# Altium PCB STB_LightBoard.PcbDoc (part 3 of 31) (continued)
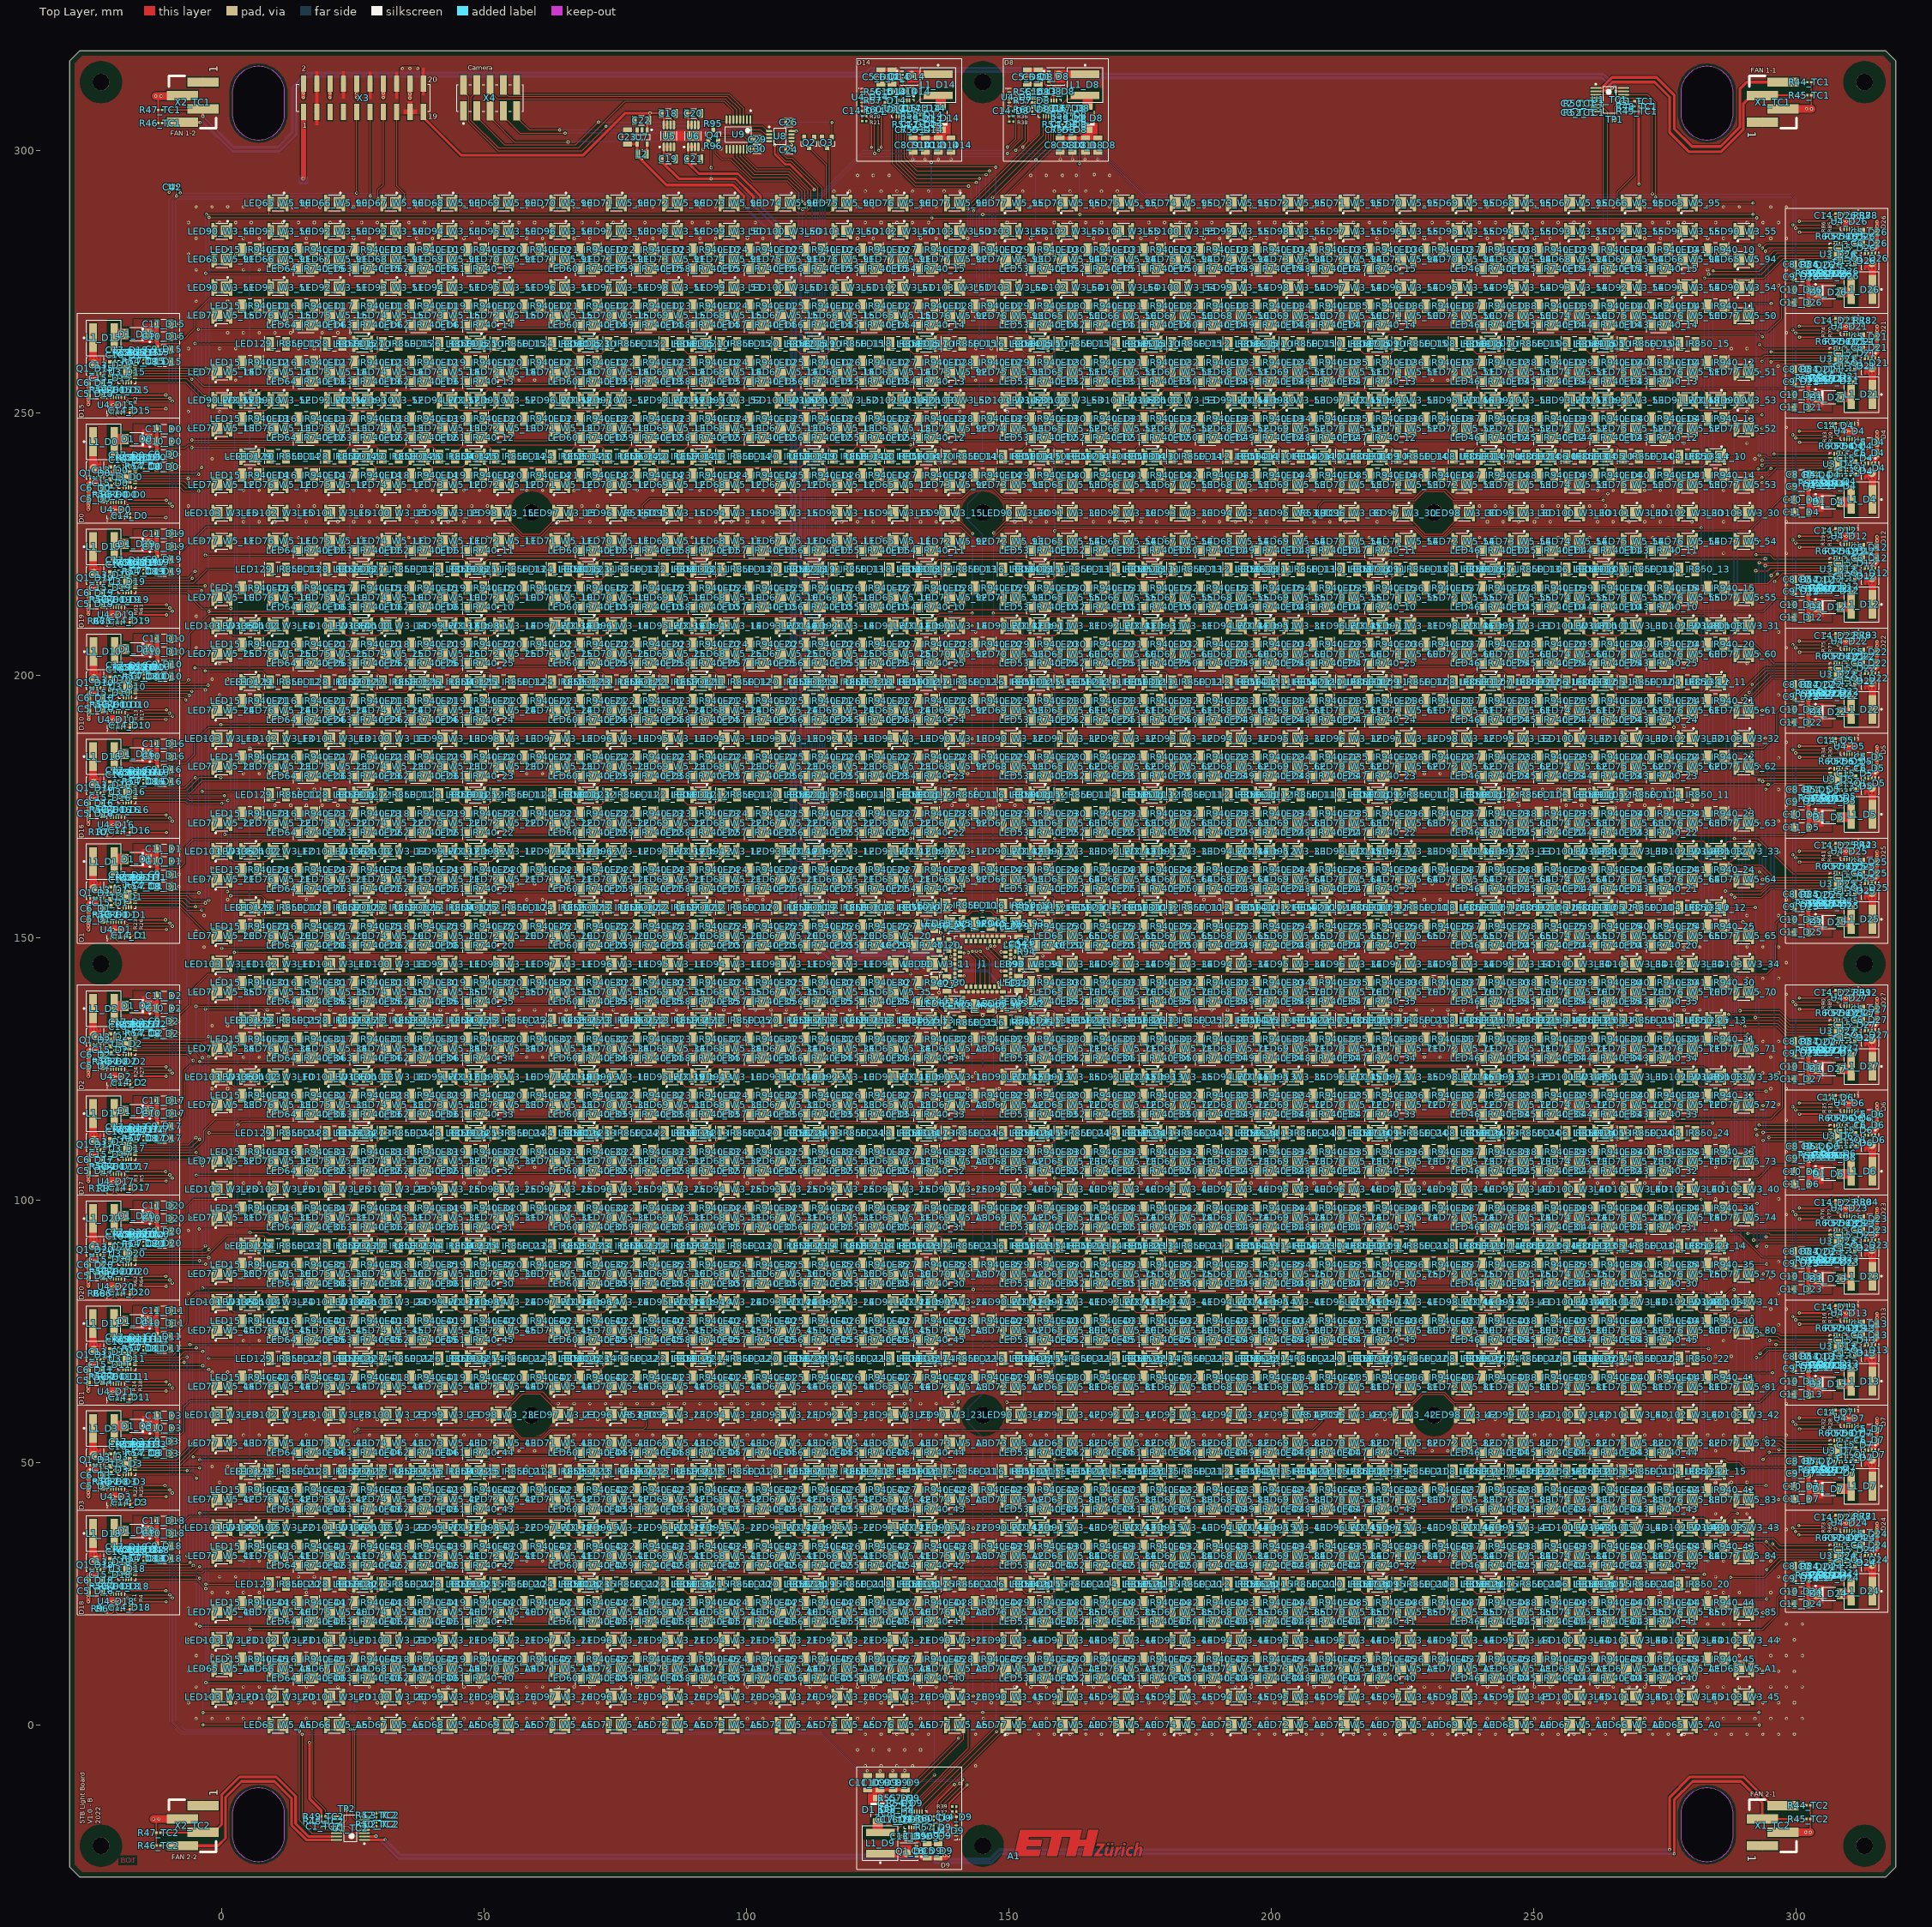
[diagram p0: Top Layer view]
## Classes and differential pairs (continued)
component class D13: C5_D13 C6_D13 C7_D13 C8_D13 C9_D13 C10_D13 C11_D13 C12_D13 C13_D13 C14_D13 C15_D13 C16_D13 C17_D13 D1_D13 L1_D13 Q1_D13 R54_D13 R55_D13 R56_D13 R57_D13 R58_D13 R59_D13 R60_D13 U3_D13 U4_D13
component class D12: C5_D12 C6_D12 C7_D12 C8_D12 C9_D12 C10_D12 C11_D12 C12_D12 C13_D12 C14_D12 C15_D12 C16_D12 C17_D12 D1_D12 L1_D12 Q1_D12 R54_D12 R55_D12 R56_D12 R57_D12 R58_D12 R59_D12 R60_D12 U3_D12 U4_D12
component class D11: C5_D11 C6_D11 C7_D11 C8_D11 C9_D11 C10_D11 C11_D11 C12_D11 C13_D11 C14_D11 C15_D11 C16_D11 C17_D11 D1_D11 L1_D11 Q1_D11 R54_D11 R55_D11 R56_D11 R57_D11 R58_D11 R59_D11 R60_D11 U3_D11 U4_D11
component class D10: C5_D10 C6_D10 C7_D10 C8_D10 C9_D10 C10_D10 C11_D10 C12_D10 C13_D10 C14_D10 C15_D10 C16_D10 C17_D10 D1_D10 L1_D10 Q1_D10 R54_D10 R55_D10 R56_D10 R57_D10 R58_D10 R59_D10 R60_D10 U3_D10 U4_D10
component class D9: C5_D9 C6_D9 C7_D9 C8_D9 C9_D9 C10_D9 C11_D9 C12_D9 C13_D9 C14_D9 C15_D9 C16_D9 C17_D9 D1_D9 L1_D9 Q1_D9 R54_D9 R55_D9 R56_D9 R57_D9 R58_D9 R59_D9 R60_D9 U3_D9 U4_D9
component class D8: C5_D8 C6_D8 C7_D8 C8_D8 C9_D8 C10_D8 C11_D8 C12_D8 C13_D8 C14_D8 C15_D8 C16_D8 C17_D8 D1_D8 L1_D8 Q1_D8 R54_D8 R55_D8 R56_D8 R57_D8 R58_D8 R59_D8 R60_D8 U3_D8 U4_D8
component class D7: C5_D7 C6_D7 C7_D7 C8_D7 C9_D7 C10_D7 C11_D7 C12_D7 C13_D7 C14_D7 C15_D7 C16_D7 C17_D7 D1_D7 L1_D7 Q1_D7 R54_D7 R55_D7 R56_D7 R57_D7 R58_D7 R59_D7 R60_D7 U3_D7 U4_D7
component class D6: C5_D6 C6_D6 C7_D6 C8_D6 C9_D6 C10_D6 C11_D6 C12_D6 C13_D6 C14_D6 C15_D6 C16_D6 C17_D6 D1_D6 L1_D6 Q1_D6 R54_D6 R55_D6 R56_D6 R57_D6 R58_D6 R59_D6 R60_D6 U3_D6 U4_D6
component class D5: C5_D5 C6_D5 C7_D5 C8_D5 C9_D5 C10_D5 C11_D5 C12_D5 C13_D5 C14_D5 C15_D5 C16_D5 C17_D5 D1_D5 L1_D5 Q1_D5 R54_D5 R55_D5 R56_D5 R57_D5 R58_D5 R59_D5 R60_D5 U3_D5 U4_D5
component class D4: C5_D4 C6_D4 C7_D4 C8_D4 C9_D4 C10_D4 C11_D4 C12_D4 C13_D4 C14_D4 C15_D4 C16_D4 C17_D4 D1_D4 L1_D4 Q1_D4 R54_D4 R55_D4 R56_D4 R57_D4 R58_D4 R59_D4 R60_D4 U3_D4 U4_D4
component class D3: C5_D3 C6_D3 C7_D3 C8_D3 C9_D3 C10_D3 C11_D3 C12_D3 C13_D3 C14_D3 C15_D3 C16_D3 C17_D3 D1_D3 L1_D3 Q1_D3 R54_D3 R55_D3 R56_D3 R57_D3 R58_D3 R59_D3 R60_D3 U3_D3 U4_D3
component class D2: C5_D2 C6_D2 C7_D2 C8_D2 C9_D2 C10_D2 C11_D2 C12_D2 C13_D2 C14_D2 C15_D2 C16_D2 C17_D2 D1_D2 L1_D2 Q1_D2 R54_D2 R55_D2 R56_D2 R57_D2 R58_D2 R59_D2 R60_D2 U3_D2 U4_D2
component class D1: C5_D1 C6_D1 C7_D1 C8_D1 C9_D1 C10_D1 C11_D1 C12_D1 C13_D1 C14_D1 C15_D1 C16_D1 C17_D1 D1_D1 L1_D1 Q1_D1 R54_D1 R55_D1 R56_D1 R57_D1 R58_D1 R59_D1 R60_D1 U3_D1 U4_D1
component class D0: C5_D0 C6_D0 C7_D0 C8_D0 C9_D0 C10_D0 C11_D0 C12_D0 C13_D0 C14_D0 C15_D0 C16_D0 C17_D0 D1_D0 L1_D0 Q1_D0 R54_D0 R55_D0 R56_D0 R57_D0 R58_D0 R59_D0 R60_D0 U3_D0 U4_D0
channel class LED_String_QBHP686: IR740_10 IR740_11 IR740_12 IR740_13 IR740_14 IR740_15 IR740_20 IR740_21 IR740_22 IR740_23 IR740_24 IR740_25 IR740_30 IR740_31 IR740_32 IR740_33 IR740_34 IR740_35 IR740_40 IR740_41 IR740_42 IR740_43 IR740_44 IR740_45
channel class LED_String_AREM-90C0: IR940_10 IR940_11 IR940_12 IR940_13 IR940_14 IR940_15 IR940_20 IR940_21 IR940_22 IR940_23 IR940_24 IR940_25 IR940_30 IR940_31 IR940_32 IR940_33 IR940_34 IR940_35 IR940_40 IR940_41 IR940_42 IR940_43 IR940_44 IR940_45
channel class LED_String_AREM-80C0: IR850_10 IR850_11 IR850_12 IR850_13 IR850_14 IR850_15 IR850_20 IR850_21 IR850_22 IR850_23 IR850_24 IR850_25
component class LIR3: R69 R70 R71 R72 R73 R74 R75 R76 R77 R78 R79 R80 R81 R82 R83 R84
component class LIR2: R61 R62 R63 R64 R65 R66 R67 R68
component class LIR1: R1 R2 R3 R4 R5 R6 R7 R8 R9 R10 R11
component class IR940_45: LED15_IR940_45 LED16_IR940_45 LED17_IR940_45 LED18_IR940_45 LED19_IR940_45 LED20_IR940_45 LED21_IR940_45 LED22_IR940_45 LED23_IR940_45 LED24_IR940_45 LED25_IR940_45 LED26_IR940_45 LED27_IR940_45 LED28_IR940_45 LED29_IR940_45 LED30_IR940_45 LED31_IR940_45 LED32_IR940_45 LED33_IR940_45 LED34_IR940_45 LED35_IR940_45 LED36_IR940_45 LED37_IR940_45 LED38_IR940_45 LED39_IR940_45 LED40_IR940_45 LED41_IR940_45
component class IR940_44: LED15_IR940_44 LED16_IR940_44 LED17_IR940_44 LED18_IR940_44 LED19_IR940_44 LED20_IR940_44 LED21_IR940_44 LED22_IR940_44 LED23_IR940_44 LED24_IR940_44 LED25_IR940_44 LED26_IR940_44 LED27_IR940_44 LED28_IR940_44 LED29_IR940_44 LED30_IR940_44 LED31_IR940_44 LED32_IR940_44 LED33_IR940_44 LED34_IR940_44 LED35_IR940_44 LED36_IR940_44 LED37_IR940_44 LED38_IR940_44 LED39_IR940_44 LED40_IR940_44 LED41_IR940_44
component class IR940_43: LED15_IR940_43 LED16_IR940_43 LED17_IR940_43 LED18_IR940_43 LED19_IR940_43 LED20_IR940_43 LED21_IR940_43 LED22_IR940_43 LED23_IR940_43 LED24_IR940_43 LED25_IR940_43 LED26_IR940_43 LED27_IR940_43 LED28_IR940_43 LED29_IR940_43 LED30_IR940_43 LED31_IR940_43 LED32_IR940_43 LED33_IR940_43 LED34_IR940_43 LED35_IR940_43 LED36_IR940_43 LED37_IR940_43 LED38_IR940_43 LED39_IR940_43 LED40_IR940_43 LED41_IR940_43
component class IR940_42: LED15_IR940_42 LED16_IR940_42 LED17_IR940_42 LED18_IR940_42 LED19_IR940_42 LED20_IR940_42 LED21_IR940_42 LED22_IR940_42 LED23_IR940_42 LED24_IR940_42 LED25_IR940_42 LED26_IR940_42 LED27_IR940_42 LED28_IR940_42 LED29_IR940_42 LED30_IR940_42 LED31_IR940_42 LED32_IR940_42 LED33_IR940_42 LED34_IR940_42 LED35_IR940_42 LED36_IR940_42 LED37_IR940_42 LED38_IR940_42 LED39_IR940_42 LED40_IR940_42 LED41_IR940_42
component class IR940_41: LED15_IR940_41 LED16_IR940_41 LED17_IR940_41 LED18_IR940_41 LED19_IR940_41 LED20_IR940_41 LED21_IR940_41 LED22_IR940_41 LED23_IR940_41 LED24_IR940_41 LED25_IR940_41 LED26_IR940_41 LED27_IR940_41 LED28_IR940_41 LED29_IR940_41 LED30_IR940_41 LED31_IR940_41 LED32_IR940_41 LED33_IR940_41 LED34_IR940_41 LED35_IR940_41 LED36_IR940_41 LED37_IR940_41 LED38_IR940_41 LED39_IR940_41 LED40_IR940_41 LED41_IR940_41
component class IR940_40: LED15_IR940_40 LED16_IR940_40 LED17_IR940_40 LED18_IR940_40 LED19_IR940_40 LED20_IR940_40 LED21_IR940_40 LED22_IR940_40 LED23_IR940_40 LED24_IR940_40 LED25_IR940_40 LED26_IR940_40 LED27_IR940_40 LED28_IR940_40 LED29_IR940_40 LED30_IR940_40 LED31_IR940_40 LED32_IR940_40 LED33_IR940_40 LED34_IR940_40 LED35_IR940_40 LED36_IR940_40 LED37_IR940_40 LED38_IR940_40 LED39_IR940_40 LED40_IR940_40 LED41_IR940_40
component class IR940_35: LED15_IR940_35 LED16_IR940_35 LED17_IR940_35 LED18_IR940_35 LED19_IR940_35 LED20_IR940_35 LED21_IR940_35 LED22_IR940_35 LED23_IR940_35 LED24_IR940_35 LED25_IR940_35 LED26_IR940_35 LED27_IR940_35 LED28_IR940_35 LED29_IR940_35 LED30_IR940_35 LED31_IR940_35 LED32_IR940_35 LED33_IR940_35 LED34_IR940_35 LED35_IR940_35 LED36_IR940_35 LED37_IR940_35 LED38_IR940_35 LED39_IR940_35 LED40_IR940_35 LED41_IR940_35
component class IR940_34: LED15_IR940_34 LED16_IR940_34 LED17_IR940_34 LED18_IR940_34 LED19_IR940_34 LED20_IR940_34 LED21_IR940_34 LED22_IR940_34 LED23_IR940_34 LED24_IR940_34 LED25_IR940_34 LED26_IR940_34 LED27_IR940_34 LED28_IR940_34 LED29_IR940_34 LED30_IR940_34 LED31_IR940_34 LED32_IR940_34 LED33_IR940_34 LED34_IR940_34 LED35_IR940_34 LED36_IR940_34 LED37_IR940_34 LED38_IR940_34 LED39_IR940_34 LED40_IR940_34 LED41_IR940_34
component class IR940_33: LED15_IR940_33 LED16_IR940_33 LED17_IR940_33 LED18_IR940_33 LED19_IR940_33 LED20_IR940_33 LED21_IR940_33 LED22_IR940_33 LED23_IR940_33 LED24_IR940_33 LED25_IR940_33 LED26_IR940_33 LED27_IR940_33 LED28_IR940_33 LED29_IR940_33 LED30_IR940_33 LED31_IR940_33 LED32_IR940_33 LED33_IR940_33 LED34_IR940_33 LED35_IR940_33 LED36_IR940_33 LED37_IR940_33 LED38_IR940_33 LED39_IR940_33 LED40_IR940_33 LED41_IR940_33
component class IR940_32: LED15_IR940_32 LED16_IR940_32 LED17_IR940_32 LED18_IR940_32 LED19_IR940_32 LED20_IR940_32 LED21_IR940_32 LED22_IR940_32 LED23_IR940_32 LED24_IR940_32 LED25_IR940_32 LED26_IR940_32 LED27_IR940_32 LED28_IR940_32 LED29_IR940_32 LED30_IR940_32 LED31_IR940_32 LED32_IR940_32 LED33_IR940_32 LED34_IR940_32 LED35_IR940_32 LED36_IR940_32 LED37_IR940_32 LED38_IR940_32 LED39_IR940_32 LED40_IR940_32 LED41_IR940_32
component class IR940_31: LED15_IR940_31 LED16_IR940_31 LED17_IR940_31 LED18_IR940_31 LED19_IR940_31 LED20_IR940_31 LED21_IR940_31 LED22_IR940_31 LED23_IR940_31 LED24_IR940_31 LED25_IR940_31 LED26_IR940_31 LED27_IR940_31 LED28_IR940_31 LED29_IR940_31 LED30_IR940_31 LED31_IR940_31 LED32_IR940_31 LED33_IR940_31 LED34_IR940_31 LED35_IR940_31 LED36_IR940_31 LED37_IR940_31 LED38_IR940_31 LED39_IR940_31 LED40_IR940_31 LED41_IR940_31
component class IR940_30: LED15_IR940_30 LED16_IR940_30 LED17_IR940_30 LED18_IR940_30 LED19_IR940_30 LED20_IR940_30 LED21_IR940_30 LED22_IR940_30 LED23_IR940_30 LED24_IR940_30 LED25_IR940_30 LED26_IR940_30 LED27_IR940_30 LED28_IR940_30 LED29_IR940_30 LED30_IR940_30 LED31_IR940_30 LED32_IR940_30 LED33_IR940_30 LED34_IR940_30 LED35_IR940_30 LED36_IR940_30 LED37_IR940_30 LED38_IR940_30 LED39_IR940_30 LED40_IR940_30 LED41_IR940_30
component class IR940_25: LED15_IR940_25 LED16_IR940_25 LED17_IR940_25 LED18_IR940_25 LED19_IR940_25 LED20_IR940_25 LED21_IR940_25 LED22_IR940_25 LED23_IR940_25 LED24_IR940_25 LED25_IR940_25 LED26_IR940_25 LED27_IR940_25 LED28_IR940_25 LED29_IR940_25 LED30_IR940_25 LED31_IR940_25 LED32_IR940_25 LED33_IR940_25 LED34_IR940_25 LED35_IR940_25 LED36_IR940_25 LED37_IR940_25 LED38_IR940_25 LED39_IR940_25 LED40_IR940_25 LED41_IR940_25
component class IR940_24: LED15_IR940_24 LED16_IR940_24 LED17_IR940_24 LED18_IR940_24 LED19_IR940_24 LED20_IR940_24 LED21_IR940_24 LED22_IR940_24 LED23_IR940_24 LED24_IR940_24 LED25_IR940_24 LED26_IR940_24 LED27_IR940_24 LED28_IR940_24 LED29_IR940_24 LED30_IR940_24 LED31_IR940_24 LED32_IR940_24 LED33_IR940_24 LED34_IR940_24 LED35_IR940_24 LED36_IR940_24 LED37_IR940_24 LED38_IR940_24 LED39_IR940_24 LED40_IR940_24 LED41_IR940_24
component class IR940_23: LED15_IR940_23 LED16_IR940_23 LED17_IR940_23 LED18_IR940_23 LED19_IR940_23 LED20_IR940_23 LED21_IR940_23 LED22_IR940_23 LED23_IR940_23 LED24_IR940_23 LED25_IR940_23 LED26_IR940_23 LED27_IR940_23 LED28_IR940_23 LED29_IR940_23 LED30_IR940_23 LED31_IR940_23 LED32_IR940_23 LED33_IR940_23 LED34_IR940_23 LED35_IR940_23 LED36_IR940_23 LED37_IR940_23 LED38_IR940_23 LED39_IR940_23 LED40_IR940_23 LED41_IR940_23
component class IR940_22: LED15_IR940_22 LED16_IR940_22 LED17_IR940_22 LED18_IR940_22 LED19_IR940_22 LED20_IR940_22 LED21_IR940_22 LED22_IR940_22 LED23_IR940_22 LED24_IR940_22 LED25_IR940_22 LED26_IR940_22 LED27_IR940_22 LED28_IR940_22 LED29_IR940_22 LED30_IR940_22 LED31_IR940_22 LED32_IR940_22 LED33_IR940_22 LED34_IR940_22 LED35_IR940_22 LED36_IR940_22 LED37_IR940_22 LED38_IR940_22 LED39_IR940_22 LED40_IR940_22 LED41_IR940_22
component class IR940_21: LED15_IR940_21 LED16_IR940_21 LED17_IR940_21 LED18_IR940_21 LED19_IR940_21 LED20_IR940_21 LED21_IR940_21 LED22_IR940_21 LED23_IR940_21 LED24_IR940_21 LED25_IR940_21 LED26_IR940_21 LED27_IR940_21 LED28_IR940_21 LED29_IR940_21 LED30_IR940_21 LED31_IR940_21 LED32_IR940_21 LED33_IR940_21 LED34_IR940_21 LED35_IR940_21 LED36_IR940_21 LED37_IR940_21 LED38_IR940_21 LED39_IR940_21 LED40_IR940_21 LED41_IR940_21
component class IR940_20: LED15_IR940_20 LED16_IR940_20 LED17_IR940_20 LED18_IR940_20 LED19_IR940_20 LED20_IR940_20 LED21_IR940_20 LED22_IR940_20 LED23_IR940_20 LED24_IR940_20 LED25_IR940_20 LED26_IR940_20 LED27_IR940_20 LED28_IR940_20 LED29_IR940_20 LED30_IR940_20 LED31_IR940_20 LED32_IR940_20 LED33_IR940_20 LED34_IR940_20 LED35_IR940_20 LED36_IR940_20 LED37_IR940_20 LED38_IR940_20 LED39_IR940_20 LED40_IR940_20 LED41_IR940_20
component class IR940_15: LED15_IR940_15 LED16_IR940_15 LED17_IR940_15 LED18_IR940_15 LED19_IR940_15 LED20_IR940_15 LED21_IR940_15 LED22_IR940_15 LED23_IR940_15 LED24_IR940_15 LED25_IR940_15 LED26_IR940_15 LED27_IR940_15 LED28_IR940_15 LED29_IR940_15 LED30_IR940_15 LED31_IR940_15 LED32_IR940_15 LED33_IR940_15 LED34_IR940_15 LED35_IR940_15 LED36_IR940_15 LED37_IR940_15 LED38_IR940_15 LED39_IR940_15 LED40_IR940_15 LED41_IR940_15
component class IR940_14: LED15_IR940_14 LED16_IR940_14 LED17_IR940_14 LED18_IR940_14 LED19_IR940_14 LED20_IR940_14 LED21_IR940_14 LED22_IR940_14 LED23_IR940_14 LED24_IR940_14 LED25_IR940_14 LED26_IR940_14 LED27_IR940_14 LED28_IR940_14 LED29_IR940_14 LED30_IR940_14 LED31_IR940_14 LED32_IR940_14 LED33_IR940_14 LED34_IR940_14 LED35_IR940_14 LED36_IR940_14 LED37_IR940_14 LED38_IR940_14 LED39_IR940_14 LED40_IR940_14 LED41_IR940_14
component class IR940_13: LED15_IR940_13 LED16_IR940_13 LED17_IR940_13 LED18_IR940_13 LED19_IR940_13 LED20_IR940_13 LED21_IR940_13 LED22_IR940_13 LED23_IR940_13 LED24_IR940_13 LED25_IR940_13 LED26_IR940_13 LED27_IR940_13 LED28_IR940_13 LED29_IR940_13 LED30_IR940_13 LED31_IR940_13 LED32_IR940_13 LED33_IR940_13 LED34_IR940_13 LED35_IR940_13 LED36_IR940_13 LED37_IR940_13 LED38_IR940_13 LED39_IR940_13 LED40_IR940_13 LED41_IR940_13
component class IR940_12: LED15_IR940_12 LED16_IR940_12 LED17_IR940_12 LED18_IR940_12 LED19_IR940_12 LED20_IR940_12 LED21_IR940_12 LED22_IR940_12 LED23_IR940_12 LED24_IR940_12 LED25_IR940_12 LED26_IR940_12 LED27_IR940_12 LED28_IR940_12 LED29_IR940_12 LED30_IR940_12 LED31_IR940_12 LED32_IR940_12 LED33_IR940_12 LED34_IR940_12 LED35_IR940_12 LED36_IR940_12 LED37_IR940_12 LED38_IR940_12 LED39_IR940_12 LED40_IR940_12 LED41_IR940_12
component class IR940_11: LED15_IR940_11 LED16_IR940_11 LED17_IR940_11 LED18_IR940_11 LED19_IR940_11 LED20_IR940_11 LED21_IR940_11 LED22_IR940_11 LED23_IR940_11 LED24_IR940_11 LED25_IR940_11 LED26_IR940_11 LED27_IR940_11 LED28_IR940_11 LED29_IR940_11 LED30_IR940_11 LED31_IR940_11 LED32_IR940_11 LED33_IR940_11 LED34_IR940_11 LED35_IR940_11 LED36_IR940_11 LED37_IR940_11 LED38_IR940_11 LED39_IR940_11 LED40_IR940_11 LED41_IR940_11
component class IR940_10: LED15_IR940_10 LED16_IR940_10 LED17_IR940_10 LED18_IR940_10 LED19_IR940_10 LED20_IR940_10 LED21_IR940_10 LED22_IR940_10 LED23_IR940_10 LED24_IR940_10 LED25_IR940_10 LED26_IR940_10 LED27_IR940_10 LED28_IR940_10 LED29_IR940_10 LED30_IR940_10 LED31_IR940_10 LED32_IR940_10 LED33_IR940_10 LED34_IR940_10 LED35_IR940_10 LED36_IR940_10 LED37_IR940_10 LED38_IR940_10 LED39_IR940_10 LED40_IR940_10 LED41_IR940_10
component class IR850_25: LED104_IR850_25 LED105_IR850_25 LED106_IR850_25 LED107_IR850_25 LED108_IR850_25 LED109_IR850_25 LED110_IR850_25 LED111_IR850_25 LED112_IR850_25 LED113_IR850_25 LED114_IR850_25 LED115_IR850_25 LED116_IR850_25 LED117_IR850_25 LED118_IR850_25 LED119_IR850_25 LED120_IR850_25 LED121_IR850_25 LED122_IR850_25 LED123_IR850_25 LED124_IR850_25 LED125_IR850_25 LED126_IR850_25 LED127_IR850_25 LED128_IR850_25 LED129_IR850_25
component class IR850_24: LED104_IR850_24 LED105_IR850_24 LED106_IR850_24 LED107_IR850_24 LED108_IR850_24 LED109_IR850_24 LED110_IR850_24 LED111_IR850_24 LED112_IR850_24 LED113_IR850_24 LED114_IR850_24 LED115_IR850_24 LED116_IR850_24 LED117_IR850_24 LED118_IR850_24 LED119_IR850_24 LED120_IR850_24 LED121_IR850_24 LED122_IR850_24 LED123_IR850_24 LED124_IR850_24 LED125_IR850_24 LED126_IR850_24 LED127_IR850_24 LED128_IR850_24 LED129_IR850_24
component class IR850_23: LED104_IR850_23 LED105_IR850_23 LED106_IR850_23 LED107_IR850_23 LED108_IR850_23 LED109_IR850_23 LED110_IR850_23 LED111_IR850_23 LED112_IR850_23 LED113_IR850_23 LED114_IR850_23 LED115_IR850_23 LED116_IR850_23 LED117_IR850_23 LED118_IR850_23 LED119_IR850_23 LED120_IR850_23 LED121_IR850_23 LED122_IR850_23 LED123_IR850_23 LED124_IR850_23 LED125_IR850_23 LED126_IR850_23 LED127_IR850_23 LED128_IR850_23 LED129_IR850_23
component class IR850_22: LED104_IR850_22 LED105_IR850_22 LED106_IR850_22 LED107_IR850_22 LED108_IR850_22 LED109_IR850_22 LED110_IR850_22 LED111_IR850_22 LED112_IR850_22 LED113_IR850_22 LED114_IR850_22 LED115_IR850_22 LED116_IR850_22 LED117_IR850_22 LED118_IR850_22 LED119_IR850_22 LED120_IR850_22 LED121_IR850_22 LED122_IR850_22 LED123_IR850_22 LED124_IR850_22 LED125_IR850_22 LED126_IR850_22 LED127_IR850_22 LED128_IR850_22 LED129_IR850_22
component class IR850_21: LED104_IR850_21 LED105_IR850_21 LED106_IR850_21 LED107_IR850_21 LED108_IR850_21 LED109_IR850_21 LED110_IR850_21 LED111_IR850_21 LED112_IR850_21 LED113_IR850_21 LED114_IR850_21 LED115_IR850_21 LED116_IR850_21 LED117_IR850_21 LED118_IR850_21 LED119_IR850_21 LED120_IR850_21 LED121_IR850_21 LED122_IR850_21 LED123_IR850_21 LED124_IR850_21 LED125_IR850_21 LED126_IR850_21 LED127_IR850_21 LED128_IR850_21 LED129_IR850_21
component class IR850_20: LED104_IR850_20 LED105_IR850_20 LED106_IR850_20 LED107_IR850_20 LED108_IR850_20 LED109_IR850_20 LED110_IR850_20 LED111_IR850_20 LED112_IR850_20 LED113_IR850_20 LED114_IR850_20 LED115_IR850_20 LED116_IR850_20 LED117_IR850_20 LED118_IR850_20 LED119_IR850_20 LED120_IR850_20 LED121_IR850_20 LED122_IR850_20 LED123_IR850_20 LED124_IR850_20 LED125_IR850_20 LED126_IR850_20 LED127_IR850_20 LED128_IR850_20 LED129_IR850_20
component class IR850_15: LED104_IR850_15 LED105_IR850_15 LED106_IR850_15 LED107_IR850_15 LED108_IR850_15 LED109_IR850_15 LED110_IR850_15 LED111_IR850_15 LED112_IR850_15 LED113_IR850_15 LED114_IR850_15 LED115_IR850_15 LED116_IR850_15 LED117_IR850_15 LED118_IR850_15 LED119_IR850_15 LED120_IR850_15 LED121_IR850_15 LED122_IR850_15 LED123_IR850_15 LED124_IR850_15 LED125_IR850_15 LED126_IR850_15 LED127_IR850_15 LED128_IR850_15 LED129_IR850_15
component class IR850_14: LED104_IR850_14 LED105_IR850_14 LED106_IR850_14 LED107_IR850_14 LED108_IR850_14 LED109_IR850_14 LED110_IR850_14 LED111_IR850_14 LED112_IR850_14 LED113_IR850_14 LED114_IR850_14 LED115_IR850_14 LED116_IR850_14 LED117_IR850_14 LED118_IR850_14 LED119_IR850_14 LED120_IR850_14 LED121_IR850_14 LED122_IR850_14 LED123_IR850_14 LED124_IR850_14 LED125_IR850_14 LED126_IR850_14 LED127_IR850_14 LED128_IR850_14 LED129_IR850_14
component class IR850_13: LED104_IR850_13 LED105_IR850_13 LED106_IR850_13 LED107_IR850_13 LED108_IR850_13 LED109_IR850_13 LED110_IR850_13 LED111_IR850_13 LED112_IR850_13 LED113_IR850_13 LED114_IR850_13 LED115_IR850_13 LED116_IR850_13 LED117_IR850_13 LED118_IR850_13 LED119_IR850_13 LED120_IR850_13 LED121_IR850_13 LED122_IR850_13 LED123_IR850_13 LED124_IR850_13 LED125_IR850_13 LED126_IR850_13 LED127_IR850_13 LED128_IR850_13 LED129_IR850_13
component class IR850_12: LED104_IR850_12 LED105_IR850_12 LED106_IR850_12 LED107_IR850_12 LED108_IR850_12 LED109_IR850_12 LED110_IR850_12 LED111_IR850_12 LED112_IR850_12 LED113_IR850_12 LED114_IR850_12 LED115_IR850_12 LED116_IR850_12 LED117_IR850_12 LED118_IR850_12 LED119_IR850_12 LED120_IR850_12 LED121_IR850_12 LED122_IR850_12 LED123_IR850_12 LED124_IR850_12 LED125_IR850_12 LED126_IR850_12 LED127_IR850_12 LED128_IR850_12 LED129_IR850_12
component class IR850_11: LED104_IR850_11 LED105_IR850_11 LED106_IR850_11 LED107_IR850_11 LED108_IR850_11 LED109_IR850_11 LED110_IR850_11 LED111_IR850_11 LED112_IR850_11 LED113_IR850_11 LED114_IR850_11 LED115_IR850_11 LED116_IR850_11 LED117_IR850_11 LED118_IR850_11 LED119_IR850_11 LED120_IR850_11 LED121_IR850_11 LED122_IR850_11 LED123_IR850_11 LED124_IR850_11 LED125_IR850_11 LED126_IR850_11 LED127_IR850_11 LED128_IR850_11 LED129_IR850_11
component class IR850_10: LED104_IR850_10 LED105_IR850_10 LED106_IR850_10 LED107_IR850_10 LED108_IR850_10 LED109_IR850_10 LED110_IR850_10 LED111_IR850_10 LED112_IR850_10 LED113_IR850_10 LED114_IR850_10 LED115_IR850_10 LED116_IR850_10 LED117_IR850_10 LED118_IR850_10 LED119_IR850_10 LED120_IR850_10 LED121_IR850_10 LED122_IR850_10 LED123_IR850_10 LED124_IR850_10 LED125_IR850_10 LED126_IR850_10 LED127_IR850_10 LED128_IR850_10 LED129_IR850_10
component class IR740_45: LED43_IR740_45 LED44_IR740_45 LED45_IR740_45 LED46_IR740_45 LED47_IR740_45 LED48_IR740_45 LED49_IR740_45 LED50_IR740_45 LED51_IR740_45 LED52_IR740_45 LED53_IR740_45 LED54_IR740_45 LED55_IR740_45 LED56_IR740_45 LED57_IR740_45 LED58_IR740_45 LED59_IR740_45 LED60_IR740_45 LED61_IR740_45 LED62_IR740_45 LED63_IR740_45 LED64_IR740_45
component class IR740_44: LED43_IR740_44 LED44_IR740_44 LED45_IR740_44 LED46_IR740_44 LED47_IR740_44 LED48_IR740_44 LED49_IR740_44 LED50_IR740_44 LED51_IR740_44 LED52_IR740_44 LED53_IR740_44 LED54_IR740_44 LED55_IR740_44 LED56_IR740_44 LED57_IR740_44 LED58_IR740_44 LED59_IR740_44 LED60_IR740_44 LED61_IR740_44 LED62_IR740_44 LED63_IR740_44 LED64_IR740_44
component class IR740_43: LED43_IR740_43 LED44_IR740_43 LED45_IR740_43 LED46_IR740_43 LED47_IR740_43 LED48_IR740_43 LED49_IR740_43 LED50_IR740_43 LED51_IR740_43 LED52_IR740_43 LED53_IR740_43 LED54_IR740_43 LED55_IR740_43 LED56_IR740_43 LED57_IR740_43 LED58_IR740_43 LED59_IR740_43 LED60_IR740_43 LED61_IR740_43 LED62_IR740_43 LED63_IR740_43 LED64_IR740_43
component class IR740_42: LED43_IR740_42 LED44_IR740_42 LED45_IR740_42 LED46_IR740_42 LED47_IR740_42 LED48_IR740_42 LED49_IR740_42 LED50_IR740_42 LED51_IR740_42 LED52_IR740_42 LED53_IR740_42 LED54_IR740_42 LED55_IR740_42 LED56_IR740_42 LED57_IR740_42 LED58_IR740_42 LED59_IR740_42 LED60_IR740_42 LED61_IR740_42 LED62_IR740_42 LED63_IR740_42 LED64_IR740_42
component class IR740_41: LED43_IR740_41 LED44_IR740_41 LED45_IR740_41 LED46_IR740_41 LED47_IR740_41 LED48_IR740_41 LED49_IR740_41 LED50_IR740_41 LED51_IR740_41 LED52_IR740_41 LED53_IR740_41 LED54_IR740_41 LED55_IR740_41 LED56_IR740_41 LED57_IR740_41 LED58_IR740_41 LED59_IR740_41 LED60_IR740_41 LED61_IR740_41 LED62_IR740_41 LED63_IR740_41 LED64_IR740_41
component class IR740_40: LED43_IR740_40 LED44_IR740_40 LED45_IR740_40 LED46_IR740_40 LED47_IR740_40 LED48_IR740_40 LED49_IR740_40 LED50_IR740_40 LED51_IR740_40 LED52_IR740_40 LED53_IR740_40 LED54_IR740_40 LED55_IR740_40 LED56_IR740_40 LED57_IR740_40 LED58_IR740_40 LED59_IR740_40 LED60_IR740_40 LED61_IR740_40 LED62_IR740_40 LED63_IR740_40 LED64_IR740_40
component class IR740_35: LED43_IR740_35 LED44_IR740_35 LED45_IR740_35 LED46_IR740_35 LED47_IR740_35 LED48_IR740_35 LED49_IR740_35 LED50_IR740_35 LED51_IR740_35 LED52_IR740_35 LED53_IR740_35 LED54_IR740_35 LED55_IR740_35 LED56_IR740_35 LED57_IR740_35 LED58_IR740_35 LED59_IR740_35 LED60_IR740_35 LED61_IR740_35 LED62_IR740_35 LED63_IR740_35 LED64_IR740_35
component class IR740_34: LED43_IR740_34 LED44_IR740_34 LED45_IR740_34 LED46_IR740_34 LED47_IR740_34 LED48_IR740_34 LED49_IR740_34 LED50_IR740_34 LED51_IR740_34 LED52_IR740_34 LED53_IR740_34 LED54_IR740_34 LED55_IR740_34 LED56_IR740_34 LED57_IR740_34 LED58_IR740_34 LED59_IR740_34 LED60_IR740_34 LED61_IR740_34 LED62_IR740_34 LED63_IR740_34 LED64_IR740_34
component class IR740_33: LED43_IR740_33 LED44_IR740_33 LED45_IR740_33 LED46_IR740_33 LED47_IR740_33 LED48_IR740_33 LED49_IR740_33 LED50_IR740_33 LED51_IR740_33 LED52_IR740_33 LED53_IR740_33 LED54_IR740_33 LED55_IR740_33 LED56_IR740_33 LED57_IR740_33 LED58_IR740_33 LED59_IR740_33 LED60_IR740_33 LED61_IR740_33 LED62_IR740_33 LED63_IR740_33 LED64_IR740_33
component class IR740_32: LED43_IR740_32 LED44_IR740_32 LED45_IR740_32 LED46_IR740_32 LED47_IR740_32 LED48_IR740_32 LED49_IR740_32 LED50_IR740_32 LED51_IR740_32 LED52_IR740_32 LED53_IR740_32 LED54_IR740_32 LED55_IR740_32 LED56_IR740_32 LED57_IR740_32 LED58_IR740_32 LED59_IR740_32 LED60_IR740_32 LED61_IR740_32 LED62_IR740_32 LED63_IR740_32 LED64_IR740_32
component class IR740_31: LED43_IR740_31 LED44_IR740_31 LED45_IR740_31 LED46_IR740_31 LED47_IR740_31 LED48_IR740_31 LED49_IR740_31 LED50_IR740_31 LED51_IR740_31 LED52_IR740_31 LED53_IR740_31 LED54_IR740_31 LED55_IR740_31 LED56_IR740_31 LED57_IR740_31 LED58_IR740_31 LED59_IR740_31 LED60_IR740_31 LED61_IR740_31 LED62_IR740_31 LED63_IR740_31 LED64_IR740_31
component class IR740_30: LED43_IR740_30 LED44_IR740_30 LED45_IR740_30 LED46_IR740_30 LED47_IR740_30 LED48_IR740_30 LED49_IR740_30 LED50_IR740_30 LED51_IR740_30 LED52_IR740_30 LED53_IR740_30 LED54_IR740_30 LED55_IR740_30 LED56_IR740_30 LED57_IR740_30 LED58_IR740_30 LED59_IR740_30 LED60_IR740_30 LED61_IR740_30 LED62_IR740_30 LED63_IR740_30 LED64_IR740_30
component class IR740_25: LED43_IR740_25 LED44_IR740_25 LED45_IR740_25 LED46_IR740_25 LED47_IR740_25 LED48_IR740_25 LED49_IR740_25 LED50_IR740_25 LED51_IR740_25 LED52_IR740_25 LED53_IR740_25 LED54_IR740_25 LED55_IR740_25 LED56_IR740_25 LED57_IR740_25 LED58_IR740_25 LED59_IR740_25 LED60_IR740_25 LED61_IR740_25 LED62_IR740_25 LED63_IR740_25 LED64_IR740_25
component class IR740_24: LED43_IR740_24 LED44_IR740_24 LED45_IR740_24 LED46_IR740_24 LED47_IR740_24 LED48_IR740_24 LED49_IR740_24 LED50_IR740_24 LED51_IR740_24 LED52_IR740_24 LED53_IR740_24 LED54_IR740_24 LED55_IR740_24 LED56_IR740_24 LED57_IR740_24 LED58_IR740_24 LED59_IR740_24 LED60_IR740_24 LED61_IR740_24 LED62_IR740_24 LED63_IR740_24 LED64_IR740_24
component class IR740_23: LED43_IR740_23 LED44_IR740_23 LED45_IR740_23 LED46_IR740_23 LED47_IR740_23 LED48_IR740_23 LED49_IR740_23 LED50_IR740_23 LED51_IR740_23 LED52_IR740_23 LED53_IR740_23 LED54_IR740_23 LED55_IR740_23 LED56_IR740_23 LED57_IR740_23 LED58_IR740_23 LED59_IR740_23 LED60_IR740_23 LED61_IR740_23 LED62_IR740_23 LED63_IR740_23 LED64_IR740_23
component class IR740_22: LED43_IR740_22 LED44_IR740_22 LED45_IR740_22 LED46_IR740_22 LED47_IR740_22 LED48_IR740_22 LED49_IR740_22 LED50_IR740_22 LED51_IR740_22 LED52_IR740_22 LED53_IR740_22 LED54_IR740_22 LED55_IR740_22 LED56_IR740_22 LED57_IR740_22 LED58_IR740_22 LED59_IR740_22 LED60_IR740_22 LED61_IR740_22 LED62_IR740_22 LED63_IR740_22 LED64_IR740_22
component class IR740_21: LED43_IR740_21 LED44_IR740_21 LED45_IR740_21 LED46_IR740_21 LED47_IR740_21 LED48_IR740_21 LED49_IR740_21 LED50_IR740_21 LED51_IR740_21 LED52_IR740_21 LED53_IR740_21 LED54_IR740_21 LED55_IR740_21 LED56_IR740_21 LED57_IR740_21 LED58_IR740_21 LED59_IR740_21 LED60_IR740_21 LED61_IR740_21 LED62_IR740_21 LED63_IR740_21 LED64_IR740_21
component class IR740_20: LED43_IR740_20 LED44_IR740_20 LED45_IR740_20 LED46_IR740_20 LED47_IR740_20 LED48_IR740_20 LED49_IR740_20 LED50_IR740_20 LED51_IR740_20 LED52_IR740_20 LED53_IR740_20 LED54_IR740_20 LED55_IR740_20 LED56_IR740_20 LED57_IR740_20 LED58_IR740_20 LED59_IR740_20 LED60_IR740_20 LED61_IR740_20 LED62_IR740_20 LED63_IR740_20 LED64_IR740_20
component class IR740_15: LED43_IR740_15 LED44_IR740_15 LED45_IR740_15 LED46_IR740_15 LED47_IR740_15 LED48_IR740_15 LED49_IR740_15 LED50_IR740_15 LED51_IR740_15 LED52_IR740_15 LED53_IR740_15 LED54_IR740_15 LED55_IR740_15 LED56_IR740_15 LED57_IR740_15 LED58_IR740_15 LED59_IR740_15 LED60_IR740_15 LED61_IR740_15 LED62_IR740_15 LED63_IR740_15 LED64_IR740_15
component class IR740_14: LED43_IR740_14 LED44_IR740_14 LED45_IR740_14 LED46_IR740_14 LED47_IR740_14 LED48_IR740_14 LED49_IR740_14 LED50_IR740_14 LED51_IR740_14 LED52_IR740_14 LED53_IR740_14 LED54_IR740_14 LED55_IR740_14 LED56_IR740_14 LED57_IR740_14 LED58_IR740_14 LED59_IR740_14 LED60_IR740_14 LED61_IR740_14 LED62_IR740_14 LED63_IR740_14 LED64_IR740_14
component class IR740_13: LED43_IR740_13 LED44_IR740_13 LED45_IR740_13 LED46_IR740_13 LED47_IR740_13 LED48_IR740_13 LED49_IR740_13 LED50_IR740_13 LED51_IR740_13 LED52_IR740_13 LED53_IR740_13 LED54_IR740_13 LED55_IR740_13 LED56_IR740_13 LED57_IR740_13 LED58_IR740_13 LED59_IR740_13 LED60_IR740_13 LED61_IR740_13 LED62_IR740_13 LED63_IR740_13 LED64_IR740_13
component class IR740_12: LED43_IR740_12 LED44_IR740_12 LED45_IR740_12 LED46_IR740_12 LED47_IR740_12 LED48_IR740_12 LED49_IR740_12 LED50_IR740_12 LED51_IR740_12 LED52_IR740_12 LED53_IR740_12 LED54_IR740_12 LED55_IR740_12 LED56_IR740_12 LED57_IR740_12 LED58_IR740_12 LED59_IR740_12 LED60_IR740_12 LED61_IR740_12 LED62_IR740_12 LED63_IR740_12 LED64_IR740_12
component class IR740_11: LED43_IR740_11 LED44_IR740_11 LED45_IR740_11 LED46_IR740_11 LED47_IR740_11 LED48_IR740_11 LED49_IR740_11 LED50_IR740_11 LED51_IR740_11 LED52_IR740_11 LED53_IR740_11 LED54_IR740_11 LED55_IR740_11 LED56_IR740_11 LED57_IR740_11 LED58_IR740_11 LED59_IR740_11 LED60_IR740_11 LED61_IR740_11 LED62_IR740_11 LED63_IR740_11 LED64_IR740_11
component class IR740_10: LED43_IR740_10 LED44_IR740_10 LED45_IR740_10 LED46_IR740_10 LED47_IR740_10 LED48_IR740_10 LED49_IR740_10 LED50_IR740_10 LED51_IR740_10 LED52_IR740_10 LED53_IR740_10 LED54_IR740_10 LED55_IR740_10 LED56_IR740_10 LED57_IR740_10 LED58_IR740_10 LED59_IR740_10 LED60_IR740_10 LED61_IR740_10 LED62_IR740_10 LED63_IR740_10 LED64_IR740_10
component class D24: C5_D24 C6_D24 C7_D24 C8_D24 C9_D24 C10_D24 C11_D24 C12_D24 C13_D24 C14_D24 C15_D24 C16_D24 C17_D24 D1_D24 L1_D24 Q1_D24 R54_D24 R55_D24 R56_D24 R57_D24 R58_D24 R59_D24 R60_D24 U3_D24 U4_D24
component class D23: C5_D23 C6_D23 C7_D23 C8_D23 C9_D23 C10_D23 C11_D23 C12_D23 C13_D23 C14_D23 C15_D23 C16_D23 C17_D23 D1_D23 L1_D23 Q1_D23 R54_D23 R55_D23 R56_D23 R57_D23 R58_D23 R59_D23 R60_D23 U3_D23 U4_D23